# Altium PCB RFID_PCB.PcbDoc (part 2 of 4)
Units mil, origin at the board's own origin, x right, y up, seen from the top; angles counter-clockwise.
Board outline 6299.21 x 3937.01 mil, 2 copper layers (Top Layer, Bottom Layer); 297 components, 238 nets, 1087 pads, 705 vias.
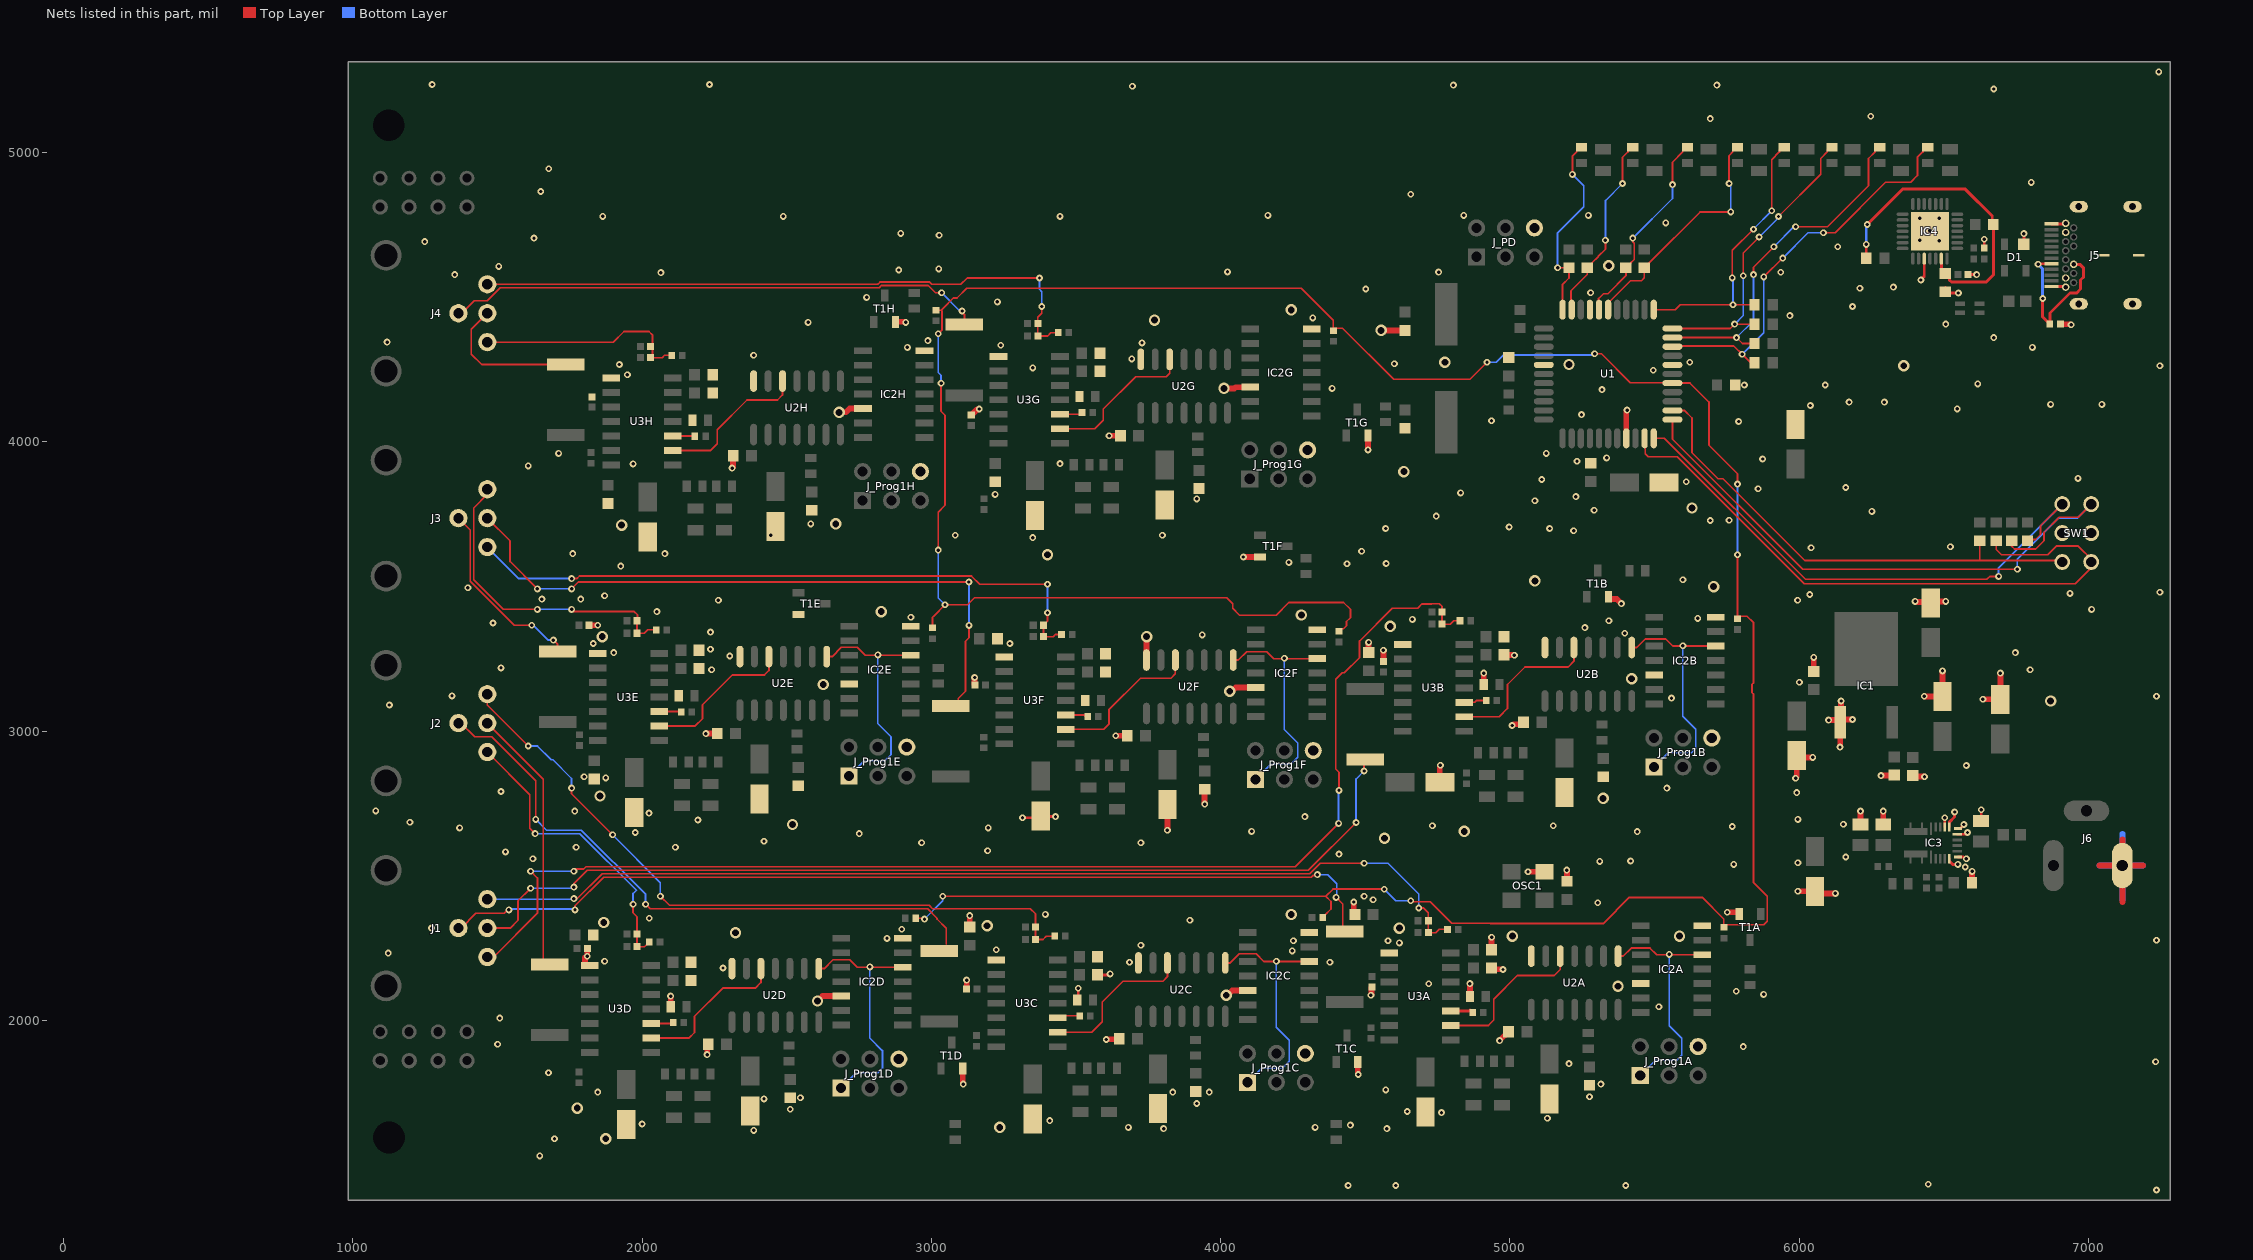
[diagram p2: the nets of this part, all layers, seen from the top]

## Part data
C1 C2A C2B C2C C2D C2E C2F C2G C2H C6A C6B C6C C6D C6E C6F C6G C6H C7 C11A C11B C11C C11D C11E C11F C11G C11H C12 C14A C14B C14C C14D C14E C14F C14G C14H C15A C15B C15C C15D C15E C15F C15G C15H C18 C19 C20 C29: library part CC0603_100NF_50V_10%_X5R, "Non-polarised capacitor", Case=0603, Manufacturer=GENERIC, Manufacturer1 ComponentHeight=0.9mm, Manufacturer1 Example=TDK, Manufacturer1 Part Number=C1608X5R1H104K080AA, Tolerance=±10%, Voltage=50V, Author="CERN DEM MR", Component Type=Standard, CreateDate=08.01.2016, HelpURL=\\cern.ch\dfs\Applications\Altium\Datasheets\CC0603_X5R_TDK_C.pdf, LatestRevisionDate=08.01.2016, Manufacturer Part Number=CC0603_100NF_50V_10%_X5R, Mounted=Yes, Part Description="SMD Multilayer Chip Ceramic Capacitor", Part Number=CC0603_100NF_50V_10%_X5R, Pin Count=2, Sense=No, SMD=Yes, Socket=No, Status=None, TC=X5R
C3A C3B C3C C3D C3E C3F C3G C3H C5 C13A C13B C13C C13D C13E C13F C13G C13H C16 C17 C21 C22 C23 C24: library part CAE430-540_22UF_10V_20%, "Polarised capacitor", Case=B, Manufacturer=PANASONIC, Manufacturer Part Number=EEEFK1A220AR, Tolerance=±20%, Voltage=10V, Author="CERN DEM JLC", ComponentHeight=5.8mm, Component Type=Standard, CreateDate=2007-12-03, HelpURL=\\cern.ch\dfs\Applications\Altium\Datasheets\CAE_PANASONIC_FK.pdf, LatestRevisionDate=2014-11-05, Mounted=Yes, Part Description="Aluminum Electrolytic SMT Capacitor", Part Number=CAE430-540_22UF_10V_20%, Pin Count=2, Sense=No, SMD=Yes, Socket=No, Status="Not Recommended"
C4A C4B C4C C4D C4E C4F C4G C4H: library part CC0402_2.2NF_50V_2%_NP0, "Multilayer Ceramic Capacitors MLCC 2200 pF 50VDC 2% 0402 C0G (NP0)", Manufacturer=MURATA, Part Number=GRM1555C1H222GA01D
C8 C9: library part CC0603_12PF_50V_5%_NP0, "Non-polarised capacitor", Case=0603, Manufacturer=GENERIC, Manufacturer1 ComponentHeight=0.87mm, Manufacturer1 Example=PHYCOMP, Manufacturer1 Part Number=223886715129, Tolerance=±5%, Voltage=50V, Author="CERN DEM JLC", Component Type=Standard, CreateDate=03.12.2007, HelpURL=\\cern.ch\dfs\Applications\Altium\Datasheets\CC0603_NP0_PHYCOMP.pdf, LatestRevisionDate=03.12.2007, Manufacturer Part Number=CC0603_12PF_50V_5%_NP0, Mounted=Yes, Part Description="SMD Multilayer Chip Ceramic Capacitor", Part Number=CC0603_12PF_50V_5%_NP0, Pin Count=2, Sense=No, SMD=Yes, Socket=No, Status=Preferred, TC=C0G/NP0
C10A C10B C10C C10D C10E C10F C10G C10H C28: library part CC0402_1UF_16V_10%_X5R, "Non-polarised capacitor", Case=0402, Manufacturer=GENERIC, Manufacturer1 ComponentHeight=0.55mm, Manufacturer1 Example=TDK, Manufacturer1 Part Number=C1005X5R1C105KT, Tolerance=±10%, Voltage=16V, Author="CERN DEM JLC", Component Type=Standard, HelpURL=\\cern.ch\dfs\Applications\Altium\Datasheets\CC0402_X5R_TDK_C.pdf, Manufacturer Part Number=CC0402_1UF_16V_10%_X5R, Mounted=Yes, Part Description="SMD Multilayer Chip Ceramic Capacitor", Part Number=CC0402_1UF_16V_10%_X5R, Pin Count=2, Sense=No, SMD=Yes, Socket=No, Status=Preferred, TC=X5R
  C10A C10B C10C C10D C10E C10F C10G C10H: CreateDate=25.10.2012, LatestRevisionDate=25.10.2012
  C28: CreateDate=2012-10-25, LatestRevisionDate=2012-10-25
C25: library part CC0805_10UF_16V_10%_X5R, "Non-polarised capacitor", Case=0805, Manufacturer=GENERIC, Manufacturer1 ComponentHeight=1.4mm, Manufacturer1 Example=KEMET, Manufacturer1 Part Number=C0805C106K4PAC, Tolerance=±10%, Voltage=16V, Author="CERN DEM JLC", Component Type=Standard, CreateDate=03.12.2007, HelpURL=\\cern.ch\dfs\Applications\Altium\Datasheets\CC1206_X5R_KEMET.pdf, LatestRevisionDate=03.12.2007, Manufacturer Part Number=CC0805_10UF_16V_10%_X5R, Mounted=Yes, Part Description="SMD Multilayer Chip Ceramic Capacitor", Part Number=CC0805_10UF_16V_10%_X5R, Pin Count=2, Sense=No, SMD=Yes, Socket=No, Status=Preferred, TC=X5R
C26 C27: library part CC0805_22UF_16V_10%_X5R, "Non-polarised capacitor", Case=0805, Manufacturer=GENERIC, Manufacturer1 ComponentHeight=1.35mm, Manufacturer1 Example=TDK, Manufacturer1 Part Number=C2012X5R1C226KT, Tolerance=±10%, Voltage=16V, Author="CERN DEM JLC", Component Type=Standard, CreateDate=25.10.2012, HelpURL=\\cern.ch\dfs\Applications\Altium\Datasheets\CC0805_X5R_TDK_C.pdf, LatestRevisionDate=25.10.2012, Manufacturer Part Number=CC0805_22UF_16V_10%_X5R, Mounted=Yes, Part Description="SMD Multilayer Chip Ceramic Capacitor", Part Number=CC0805_22UF_16V_10%_X5R, Pin Count=2, Sense=No, SMD=Yes, Socket=No, Status=Preferred, TC=X5R
C30A C30B C30C C30D C30E C30F C30G C30H: library part CC0402_6.8NF_50V_2%_NP0, "Multilayer Ceramic Capacitors MLCC 6800 pF 50VDC 2% 0402 C0G (NP0)", Manufacturer=MURATA, Part Number=GRM1555C1H682GE01D
D1: "Ultra Low Capacitance Double Rail-to-Rail ESD Protection Diode", Case=SOT143B, Manufacturer="NXP SEMICONDUCTORS", Voltage=5.5V, Author="CERN DEM JLC", Bonding=No, ComponentHeight=1.1mm, Component Type=Standard, CreateDate=2011-03-22, Device=PRTR5V0U2X, HelpURL=\\cern.ch\dfs\Applications\Altium\Datasheets\PRTR5V0U2X.pdf, LatestRevisionDate=2011-03-22, Manufacturer Part Number=PRTR5V0U2X, Mounted=Yes, PackageDescription="SOT143B, SOT, 1.90mm Pitch; 4 Pin, 1.30mm W X 2.90mm L X 1.10mm H body, IPC Medium Density", Part Description="Ultra Low Capacitance (1pF) Double Rail-to-Rail ESD Protection Diode (8kV)", Part Number=PRTR5V0U2X, Pin Count=4, PressFit=No, Sense=No, SMD=Yes, Socket=No
DL1A DL1B DL1C DL1D DL1E DL1F DL1G DL1H DL2A DL2B DL2C DL2D DL2E DL2F DL2G DL2H: library part LED_OSRAM_LSR976, "=Part Description", Case=0805, Manufacturer=OSRAM, Manufacturer Part Number=LSR976, Part Number="LS R976-NR-1", Author="CERN DEM JLC", Bonding=No, Color=Red, Component Type=Standard, ComponentHeight=0.9mm, CreateDate=18.05.2010, HelpURL=\\cern.ch\dfs\Applications\Altium\Datasheets\LED_OSRAM_LSR976.pdf, LatestRevisionDate=18.05.2010, Mounted=Yes, PackageDescription="Super Red Chip LED, 2-Leads, Body 2 x1.25mm, IPC Medium Density", Part Description="Surface Mount Super Red LED (0805 Case)", Pin Count=2, PressFit=No, Sense=No, SMD=Yes, Socket=No
DL3 DL4 DL5 DL6 DL7 DL8 DL9 DL10: library part LED_OSRAM_LSR976, "LED Red 1C 2A", Case=0805, Manufacturer=OSRAM, Manufacturer Part Number=LSR976, Part Number="LS R976-NR-1", Author="CERN DEM JLC", Bonding=No, Color=Red, Component Type=Standard, ComponentHeight=0.9mm, CreateDate=18.05.2010, HelpURL=\\cern.ch\dfs\Applications\Altium\Datasheets\LED_OSRAM_LSR976.pdf, LatestRevisionDate=18.05.2010, Mounted=Yes, PackageDescription="Super Red Chip LED, 2-Leads, Body 2 x1.25mm, IPC Medium Density", Part Description="Surface Mount Super Red LED (0805 Case)", Pin Count=2, PressFit=No, Sense=No, SMD=Yes, Socket=No
IC1: "3-Terminal Regulator 1=GND 2=IN 3=OUT", Case=DPAK, Manufacturer="ON SEMICONDUCTOR", Author="CERN DEM JLC", Bonding=No, ComponentHeight=2.38mm, Component Type=Standard, CreateDate=29.11.2012, Device=NCP1117DT33G, HelpURL=\\cern.ch\dfs\Applications\Altium\Datasheets\NCP1117DT33G.pdf, LatestRevisionDate=29.11.2012, Manufacturer Part Number=NCP1117DT33G, Mounted=Yes, PackageDescription="TO-252AA DPAK TO, 2.28mm pitch; 2 pin,9.905mm L X 6.095mm W X 2.39mm H body, IPC Medium Density", Part Description="3.3V 1A Low-Dropout Positive Voltage Regulator", Part Number=NCP1117DT33G, Pin Count=4, PressFit=No, Sense=No, SMD=Yes, Socket=No
IC2A IC2B IC2C IC2D IC2E IC2F IC2G IC2H: library part 74125, "Quadruple Bus Buffer with 3-State Outputs", Case=SOIC14, Manufacturer="TEXAS INSTRUMENTS", Author="CERN DEM JLC", Bonding=No, ComponentHeight=1.75mm, Component Type=Standard, CreateDate=2011-06-30, Device=74LVC126A, HelpURL=\\cern.ch\dfs\Applications\Altium\Datasheets\SN74HC125D.pdf, LatestRevisionDate=2011-06-30, Manufacturer Part Number=74LVC126A, Mounted=Yes, PackageDescription="SOIC 14, Pitch 1.27mm - Body 4x8.75mm, IPC Medium Density", Part Description="Quadruple Bus Buffer with 3-State Outputs", Part Number=74LVC126A, Pin Count=14, PressFit=No, Sense=No, SMD=Yes, Socket=No
IC3: "Power Management Module 18V 3A Step-Down Regulator Module", Manufacturer="Monolithic Power Systems (MPS)", Part Number=MPM3632CG
IC4: "Single-Chip USB to UART Bridge", Case=QFN28, Manufacturer="SILICON LABS", Author="CERN DEM JLC", Bonding=No, ComponentHeight=1.0mm, Component Type=Standard, CreateDate=03.03.2011, Device=CP2102-GM, HelpURL=\\cern.ch\dfs\Applications\Altium\Datasheets\CP2102-GM.pdf, LatestRevisionDate=03.03.2011, Manufacturer Part Number=CP2102-GM, Mounted=Yes, PackageDescription="QFN, 0.50mm Pitch, Square; 28 pin, 5.00mm L X 5.00mm W X 1.00mm H body (w/thermal tab 3.35 X 3.35mm),  IPC Medium Density", Part Description="Single-Chip USB to UART Bridge", Part Number=CP2102-GM, Pin Count=29, PressFit=No, Sense=No, SMD=Yes, Socket=No
J1 J2 J3 J4: library part CON_BNC_DUAL, "Dual Right Angle 50 Ohm BNC Jack, White Valox Case", Manufacturer=RENHOTEC, Manufacturer Part Number=RHT-610-0049, Part Number=RENHOTEC_RHT-610-0049, Author=GK, ComponentHeight=29.3mm, Component Type=Standard, CreateDate=09.04.2013, Family=BNC, HelpURL=\\cern.ch\dfs\Applications\Altium\Datasheets\BOMAR_364A2595.pdf, LatestRevisionDate=09.04.2013, Mounted=Yes, Part Description="Dual Right Angle 50 Ohm BNC Jack, White Valox Case", Pin Count=6, PressFit=No, Sense=No, SMD=No, Socket=No, Status=None
J5: "USB 3.1 Type C Receptacle WR-COM, Horizontal, SMT / THT", Contact Resistance="30 mOhm", Manufacturer="Wurth Elektronik", Operating Temperature="-40 to 105 degC", Rated Current="5 A", Working Voltage="20 VDC", ComponentLink1Description=Manufacturer, ComponentLink1URL=http://www.we-online.de, ComponentLink2Description=Datasheet, ComponentLink2URL=https://katalog.we-online.de/em/datasheet/632723x00011%282%29.pdf, Connector Type="USB 3.1 Type C", Gender=Receptacle, Mounting Technology="SMT / THT", Orientation=Horizontal, Packaging="Tape and Reel", Part Number=632723300011, Published Date="September 2018"
J6: library part CON_DC_JACK_TH, "Power Barrel Connector Jack 2.1mm ID, 5.50mm OD,  Through Hole, Right Angle", Manufacturer=NINIGI, Part Number=PC-GK2.1, Publisher="Altium Limited", Supplier 1=TME, Supplier Part Number 1=PC-GK2.1
J_PD J_Prog1A J_Prog1B J_Prog1C J_Prog1D J_Prog1E J_Prog1F J_Prog1G J_Prog1H: library part "Header 3X2", "THT Header, 6-Pin, Dual row, 2.54mm pitch", Manufacturer=CONNFLY, LatestRevisionDate=17-Jul-2002, LatestRevisionNote="Re-released for DXP Platform.", Part Number=DS1021-2*3SF11-B, Publisher="Altium Limited"
L1: library part IND_1UH_20%_BOURNS_SRP4020TA, "Ferrite Bead", Manufacturer=MURATA, Part Number=BLM18HE152SN1D, Power=0.5A, Resistance=0.5R, Author="CERN DEM BC", HelpURL=https://www.tme.eu/html/EN/murata-smd-beads/ramka_6596_EN_pelny.html, Impedence at 100MHZ=1500R, Mounted=Yes, Part Description="Ferrite bead", Pin Count=2, Producer=Murata, SMD=Yes, Socket=No, Status=None
L2 L3: library part IND0603_MURATA_BLM18SG121TN1D, "Ferrite Bead", Case=0603, Manufacturer=MURATA, Manufacturer Part Number=BLM18SG121TN1D, Power=3A, Resistance=0.025R, Tolerance=±25%, Author="CERN DEM JLC", Component Type=Standard, ComponentHeight=0.65mm, CreateDate=2014-07-23, HelpURL=\\cern.ch\dfs\Applications\Altium\Datasheets\IND0603_MURATA_BLM18S.pdf, LatestRevisionDate=2014-07-23, Mounted=Yes, Part Description="SMD EMIFIL Suppression Chip Ferrite Bead", Part Number=BLM18SG121TN1D, Pin Count=2, SMD=Yes, Socket=No, Status=None, Table="Inductors SMD"
L4: library part IND_MURATA_DLW21SN900SQ2L, "Inductor Common Mode", Case=0805, Manufacturer=MURATA, Manufacturer Part Number=DLW21SN900SQ2L, Power=330mA, Resistance=0.35R, Tolerance=±25%, Author="CERN DEM JLC", Component Type=Standard, ComponentHeight=1.4mm, CreateDate=01.07.2014, HelpURL=\\cern.ch\dfs\Applications\Altium\Datasheets\IND_MURATA_DLW21S.pdf, LatestRevisionDate=01.07.2014, Mounted=Yes, Part Description="Wire Wound Common Mode Choke Coil (DLW21S Series)", Part Number=DLW21SN900SQ2L, Pin Count=4, Sense=No, SMD=Yes, Socket=No, Status=None
LD1 LD2: library part "LED x4 Green 1C2A-BOT_3C4A_5C6A_7C8A-TOP", "=Part Description", Color=Green, Manufacturer=BIVAR, Author="CERN DEM JLC", Bonding=No, Component Type=Standard, ComponentHeight=11.3mm, CreateDate=2012-06-04, HelpURL=\\cern.ch\dfs\Applications\Altium\Datasheets\LED_BIVAR_H485CGDL.pdf, LatestRevisionDate=2012-06-04, Manufacturer Part Number=H485CGDL, Mounted=Yes, PackageDescription="Quad-Level 2mm Green, PCB Edge Mounting  BIVAR H485CHDL", Part Description="Quad-Level 2mm Green LED, PCB Edge Mounting", Part Number=H485CGDL, Pin Count=8, PressFit=No, Sense=No, SMD=No, Socket=No
OSC1: library part "Oscillator 1E 2GND 3OUT 4VDD", "Oscillator 4 pins 3.3V 4MHz", Manufacturer=ILSI, Part Number=ISM92-3351AH-4.0000, URL=https://www.tme.eu/pl/Document/04fa0ef07f38450711886bdf482cf79c/ISM92_Series.pdf
Q1: library part XTAL_16MHZ_IQD_LFXTAL003237, "=Part Description", Manufacturer="IQD FREQUENCY PRODUCTS", Manufacturer Part Number="LF XTAL003237", Author="CERN DEM MR", Bonding=No, Component Type=Standard, ComponentHeight=4.3mm, CreateDate=2016-03-23, HelpURL=\\cern.ch\dfs\Applications\Altium\Datasheets\XTAL_IQD_LFXTAL003237.pdf, LatestRevisionDate=2016-11-07, Mounted=Yes, PackageDescription="HC49/4H SMX Case, SMD Cristal, Body 11.6x4.9mm", Part Description="Tolerance: ± 30ppm, Stability: ± 50ppm, -10°C to +60°C, 16pF, Surface Mount Quartz Crystal, HC49/4HSMX Series", Part Number=LFXTAL003237, Pin Count=2, PressFit=No, Sense=No, SMD=Yes, Socket=No
R1 R2 R3 R4 R5 R6 R7 R8: library part R0603_510R_1%_0.1W_100PPM, "Resistor - 1%", Case=0603, Manufacturer=GENERIC, Manufacturer1 ComponentHeight=0.55mm, Manufacturer1 Example="NIC COMPONENT", Manufacturer1 Part Number=NRC06F5100TRF, Power=0.1W, Tolerance=±1%, Author="CERN DEM JLC", Component Type=Standard, CreateDate=2007-12-03, HelpURL=\\cern.ch\dfs\Applications\Altium\Datasheets\R0603_NIC_NRC.pdf, LatestRevisionDate=2008-03-13, Manufacturer Part Number=R0603_510R_1%_0.1W_100PPM, Mounted=Yes, Part Description="General Purpose Thick Film Chip Resistor", Part Number=R0603_510R_1%_0.1W_100PPM, Pin Count=2, PressFit=No, Sense=No, SMD=Yes, Socket=No, Status=Preferred, TC=±100ppm/°C
R9 R10 R11 R12 R13 R14 R32 R34: library part R0603_10K_1%_0.1W_100PPM, "Resistor - 1%", Case=0603, Manufacturer=GENERIC, Manufacturer1 ComponentHeight=0.55mm, Manufacturer1 Example="NIC COMPONENT", Manufacturer1 Part Number=NRC06F1002TRF, Power=0.1W, Tolerance=±1%, Author="CERN DEM JLC", Component Type=Standard, CreateDate=03.12.2007, HelpURL=\\cern.ch\dfs\Applications\Altium\Datasheets\R0603_NIC_NRC.pdf, LatestRevisionDate=13.03.2008, Manufacturer Part Number=R0603_10K_1%_0.1W_100PPM, Mounted=Yes, Part Description="General Purpose Thick Film Chip Resistor", Part Number=R0603_10K_1%_0.1W_100PPM, Pin Count=2, PressFit=No, Sense=No, SMD=Yes, Socket=No, Status=Preferred, TC=±100ppm/°C
R15A R15B R15C R15D R15E R15F R15G R15H R17A R17B R17C R17D R17E R17F R17G R17H R28 R35 R36 R37 R38 R39 R40 R41 R42: library part R0805_1K_1%_0.33W_100PPM_VISHAY_CRCW-HP, "Resistor - 1%", Case=0805, Manufacturer="VISHAY DRALORIC", Manufacturer1 ComponentHeight=0.6mm, Manufacturer Part Number=CRCW08051K00FKEAHP, Power=0.33W, Tolerance=±1%, Author="CERN DEM JLC", Component Type=Standard, CreateDate=2010-06-16, HelpURL="\\cern.ch\dfs\Applications\Altium\Datasheets\R0805_VISHAY_CRCW-HP e3.pdf", LatestRevisionDate=2010-06-16, Mounted=Yes, Part Description="150V, Pulse Proof, High Power Thick Film Chip Resistor", Part Number=R0805_1K_1%_0.33W_100PPM_VISHAY_CRCW-HP, Pin Count=2, PressFit=No, Sense=No, SMD=Yes, Socket=No, Status=None, TC=±100ppm/°C
R16A R16B R16C R16D R16E R16F R16G R16H R21A R21B R21C R21D R21E R21F R21G R21H: library part R0805_1K_1%_0.33W_100PPM_VISHAY_CRCW-HP, "=Part Description", Case=0805, Manufacturer="VISHAY DRALORIC", Manufacturer1 ComponentHeight=0.6mm, Manufacturer Part Number=CRCW08051K00FKEAHP, Power=0.33W, Tolerance=±1%, Author="CERN DEM JLC", Component Type=Standard, CreateDate=2010-06-16, HelpURL="\\cern.ch\dfs\Applications\Altium\Datasheets\R0805_VISHAY_CRCW-HP e3.pdf", LatestRevisionDate=2010-06-16, Mounted=Yes, Part Description="150V, Pulse Proof, High Power Thick Film Chip Resistor", Part Number=CRCW08051K00FKEAHP, Pin Count=2, PressFit=No, Sense=No, SMD=Yes, Socket=No, Status=None, TC=±100ppm/°C
R18A R18B R18C R18D R18E R18F R18G R18H R19A R19B R19C R19D R19E R19F R19G R19H R25A R25B R25C R25D R25E R25F R25G R25H: library part R0402_100R_1%_0.0625W_100PPM, "Resistor - 1%", Case=0402, Manufacturer=GENERIC, Manufacturer1 ComponentHeight=0.4mm, Manufacturer1 Example="YAGEO PHYCOMP", Manufacturer1 Part Number=232270671001L, Power=0.0625W, Tolerance=±1%, Author="CERN DEM JLC", Component Type=Standard, CreateDate=03.12.2007, HelpURL=\\cern.ch\dfs\Applications\Altium\Datasheets\R0402_Phycomp_RC0402.pdf, LatestRevisionDate=17.10.2012, Manufacturer Part Number=R0402_100R_1%_0.0625W_100PPM, Mounted=Yes, Part Description="General Purpose Thick Film Chip Resistor", Part Number=R0402_100R_1%_0.0625W_100PPM, Pin Count=2, PressFit=No, Sense=No, SMD=Yes, Socket=No, Status="Not Recommended", TC=±100ppm/°C
R20A R20B R20C R20D R20E R20F R20G R20H: library part R0603_15K_1%_0.1W_100PPM, "Resistor - 1%", Case=0603, Manufacturer=GENERIC, Manufacturer1 ComponentHeight=0.55mm, Manufacturer1 Example="NIC COMPONENT", Manufacturer1 Part Number=NRC06F1502TRF, Power=0.1W, Tolerance=±1%, Author="CERN DEM JMW", Component Type=Standard, CreateDate=2015-08-17, HelpURL=\\cern.ch\dfs\Applications\Altium\Datasheets\R0603_NIC_NRC.pdf, LatestRevisionDate=2015-08-17, Manufacturer Part Number=R0603_15K_1%_0.1W_100PPM, Mounted=Yes, Part Description="General Purpose Thick Film Chip Resistor", Part Number=R0603_15K_1%_0.1W_100PPM, Pin Count=2, PressFit=No, Sense=No, SMD=Yes, Socket=No, Status=Preferred, TC=±100ppm/°C
R22: library part R0402_5K1_1%_0.0625W_100PPM, "Resistor - 1%", Case=0402, Manufacturer=GENERIC, Manufacturer1 ComponentHeight=0.4mm, Manufacturer1 Example="YAGEO PHYCOMP", Manufacturer1 Part Number=232270675102L, Power=0.0625W, Tolerance=±1%, Author="CERN DEM JLC", Component Type=Standard, CreateDate=03.12.2007, HelpURL=\\cern.ch\dfs\Applications\Altium\Datasheets\R0402_Phycomp_RC0402.pdf, LatestRevisionDate=17.10.2012, Manufacturer Part Number=R0402_5K1_1%_0.0625W_100PPM, Mounted=Yes, Part Description="General Purpose Thick Film Chip Resistor", Part Number=R0402_5K1_1%_0.0625W_100PPM, Pin Count=2, PressFit=No, Sense=No, SMD=Yes, Socket=No, Status="Not Recommended", TC=±100ppm/°C
R23A R23B R23C R23D R23E R23F R23G R23H: library part R2512_49R9_1%_1W_100PPM_VISHAY_CRCW, "Resistor - 1%", Case=2512, Manufacturer="VISHAY DRALORIC", Manufacturer Part Number=CRCW251249R9FKEG, Power=1W, Tolerance=±1%, Author="CERN DEM JLC", Component Type=Standard, ComponentHeight=0.7mm, CreateDate=22.05.2012, HelpURL=\\cern.ch\dfs\Applications\Altium\Datasheets\R2512_VISHAY_CRCW2512.pdf, LatestRevisionDate=22.05.2012, Mounted=Yes, Part Description="Thick Film Chip Resistor", Part Number=CRCW251249R9FKEG, Pin Count=2, PressFit=No, Sense=No, SMD=Yes, Socket=No, Status=None, TC=±100ppm/°C
R24A R24B R24C R24D R24E R24F R24G R24H R26 R29: library part R0402_100K_1%_0.0625W_100PPM, "Resistor - 1%", Case=0402, Manufacturer=GENERIC, Manufacturer1 ComponentHeight=0.4mm, Manufacturer1 Example="YAGEO PHYCOMP", Manufacturer1 Part Number=232270671004L, Power=0.0625W, Tolerance=±1%, Author="CERN DEM JLC", Component Type=Standard, CreateDate=03.12.2007, HelpURL=\\cern.ch\dfs\Applications\Altium\Datasheets\R0402_Phycomp_RC0402.pdf, LatestRevisionDate=17.10.2012, Manufacturer Part Number=R0402_100K_1%_0.0625W_100PPM, Mounted=Yes, Part Description="General Purpose Thick Film Chip Resistor", Part Number=R0402_100K_1%_0.0625W_100PPM, Pin Count=2, PressFit=No, Sense=No, SMD=Yes, Socket=No, Status="Not Recommended", TC=±100ppm/°C
R27 R33: library part R0402_47K_1%_0.0625W_100PPM, "Resistor - 1%", Case=0402, Manufacturer=GENERIC, Manufacturer1 ComponentHeight=0.4mm, Manufacturer1 Example="YAGEO PHYCOMP", Manufacturer1 Part Number=232270675103L, Power=0.0625W, Tolerance=±1%, Author="CERN DEM JLC", Component Type=Standard, HelpURL=\\cern.ch\dfs\Applications\Altium\Datasheets\R0402_Phycomp_RC0402.pdf, Manufacturer Part Number=R0402_47K_1%_0.0625W_100PPM, Mounted=Yes, Part Description="General Purpose Thick Film Chip Resistor", Part Number=R0402_47K_1%_0.0625W_100PPM, Pin Count=2, Sense=No, SMD=Yes, Socket=No, TC=±100ppm/°C
  R27: CreateDate=03.12.2007, LatestRevisionDate=17.10.2012, PressFit=No, Status="Not Recommended"
  R33: CreateDate=2007-12-03, LatestRevisionDate=2012-10-17, Status="Not recommended"
R30: library part R0603_8K87_0.1%_0.063W_10PPM, "Resistor - 0.1%", Case=0603, Manufacturer=GENERIC, Manufacturer1 ComponentHeight=0.5mm, Manufacturer1 Example="TYCO HOLSWORTHY", Manufacturer1 Part Number=RN73C1J8K87BTDF, Power=0.063W, Tolerance=±0.1%, Author="CERN DEM JLC", Component Type=Standard, CreateDate=03.12.2007, HelpURL=\\cern.ch\dfs\Applications\Altium\Datasheets\R0603_Tyco_RN73.pdf, LatestRevisionDate=13.03.2008, Manufacturer Part Number=R0603_8K87_0.1%_0.063W_10PPM, Mounted=Yes, Part Description="Thin Film Chip Resistor", Part Number=R0603_8K87_0.1%_0.063W_10PPM, Pin Count=2, PressFit=No, Sense=No, SMD=Yes, Socket=No, Status="Not Recommended", TC=±10ppm
R31: library part R0402_24K_1%_0.0625W_100PPM, "Resistor - 1%", Case=0402, Manufacturer=GENERIC, Manufacturer1 ComponentHeight=0.4mm, Manufacturer1 Example="YAGEO PHYCOMP", Manufacturer1 Part Number=232270672403L, Power=0.0625W, Tolerance=±1%, Author="CERN DEM JLC", Component Type=Standard, CreateDate=2007-12-03, HelpURL=\\cern.ch\dfs\Applications\Altium\Datasheets\R0402_Phycomp_RC0402.pdf, LatestRevisionDate=2012-10-17, Manufacturer Part Number=R0402_24K_1%_0.0625W_100PPM, Mounted=Yes, Part Description="General Purpose Thick Film Chip Resistor", Part Number=R0402_24K_1%_0.0625W_100PPM, Pin Count=2, Sense=No, SMD=Yes, Socket=No, Status="Not recommended", TC=±100ppm/°C
SW1: library part SW_OMRON_A6RV-162RF, "Rotary Code Switch 1 2 4 8 C1 C2", Manufacturer=OMRON, Manufacturer Part Number="A6RV-162RF or ERD716RR", Author="CERN DEM JLC", Component Type=Standard, ComponentHeight=9.9mm, CreateDate=2008-11-27, Family=HEX, HelpURL=\\cern.ch\dfs\Applications\Altium\Datasheets\SW_OMRON_A6RV.pdf, LatestRevisionDate=2011-01-19, Mounted=Yes, PackageDescription="Body 9.8x6.64mm, Side Actuated, Rotary Code Switch, OMRON A6RV Series", Part Description="Side Actuated, Hexadecimal Rotary Code Switch", Part Number="A6RV-162RF or ERD716RR", Pin Count=6, PressFit=No, Sense=No, SMD=No, Socket=No, Status=None
T1A T1B T1C T1D T1E T1F T1G T1H: "N-CHANNEL MOSFET WITH DIODE", Case=SOT23-3, Manufacturer="ON SEMICONDUCTOR", Author="CERN DEM JLC", Bonding=No, ComponentHeight=1.11mm, Component Type=Standard, CreateDate=23.03.2009, Device=BSS138LT1G, HelpURL=\\cern.ch\dfs\Applications\Altium\Datasheets\BSS138LT1G.pdf, LatestRevisionDate=23.03.2009, Manufacturer Part Number=BSS138LT1G, Mounted=Yes, PackageDescription="SOT23 3-Leads, Pitch 0.95mm - Body 1.4x3mm, IPC Medium Density", Part Description="50V 200mA N-Channel Enhancement Mode Field-Effect Transistor", Part Number=BSS138LT1G, Pin Count=3, PressFit=No, Sense=No, SMD=Yes, Socket=No
U1: library part ATxmega16A4-AU, "8/16-bit AVR XMEGA A4 Microcontroller, 1.6-3.6V, 16KB + 4KB Flash, 1KB EEPROM, 2KB SRAM, 44-pin TQFP, Industrial Grade (-40°C to 85°C), Pb-Free", Manufacturer="Microchip Technology", Part Number=ATXMEGA16A4-AU, ComponentLink1Description="Manufacturer Link", ComponentLink1URL=http://www.atmel.com/products/avr/default.asp?, ComponentLink2Description="ATxmega16A4/32A4/64A4/128A4 Datasheet", ComponentLink2URL=http://www.atmel.com/dyn/resources/prod_documents/doc8069.pdf, ComponentLink3Description="Atmel.com Home", ComponentLink3URL=http://www.atmel.com, DatasheetVersion="revN, Feb-2010", PackageDescription="44-Pin Plastic Thin Profile Quad Flat Pack, 10 x 10 x 1.0 mm Body, 0.8 mm Pitch (TQFP)", PackageReference=44A, PackageVersion="rev.B, Oct-2001", Published=1-Apr-2010
U2A U2B U2C U2D U2E U2F U2G U2H: "8-bit AVR Microcontroller, 1.8-5.5V, 2KB Flash, 128 Bytes SRAM, 12 GPIO pins, 14-pin SOIC, Industrial Grade (-40°C to 85°C), Pb-Free", Manufacturer="Microchip Technology", Supplier Part Number 1=1611-ATTINY44-15SSZCT-ND, Code_IPC=SOIC127P600-14, Code_JEDEC=MS-012-AB, ComponentLink1Description="ATtiny20 Datasheet", ComponentLink1URL=http://www.atmel.com/dyn/resources/prod_documents/doc8235.pdf, ComponentLink2Description="ATtiny20 Summary", ComponentLink2URL=http://www.atmel.com/dyn/resources/prod_documents/8235S.pdf, ComponentLink3Description="Atmel.com Home", ComponentLink3URL=http://www.atmel.com, DatasheetVersion="revA, Mar-2010", PackageDescription="14-Lead, 0.150” Wide Body, Plastic Gull Wing Small Outline Package (SOIC)", PackageReference=14S1, PackageVersion="revA, Feb-2002", Part Number=ATtiny441-SU, Published=1-Apr-2010, Publisher="Altium Limited", Supplier 1=Digi-Key